# Altium PCB SVEC.pcbdoc (part 15 of 18)
Units mil, origin at the board's own origin, x right, y up, seen from the top; angles counter-clockwise.
Board outline 6349.25 x 9237.04 mil, 10 copper layers (Top Layer, L2 GND, L3, L4 PWR3.3, L5, L6, L7 GND, L8, L9 PWR, Bottom Layer), stack 58.268 mil thick; 906 components, 904 nets, 4753 pads, 3116 vias.
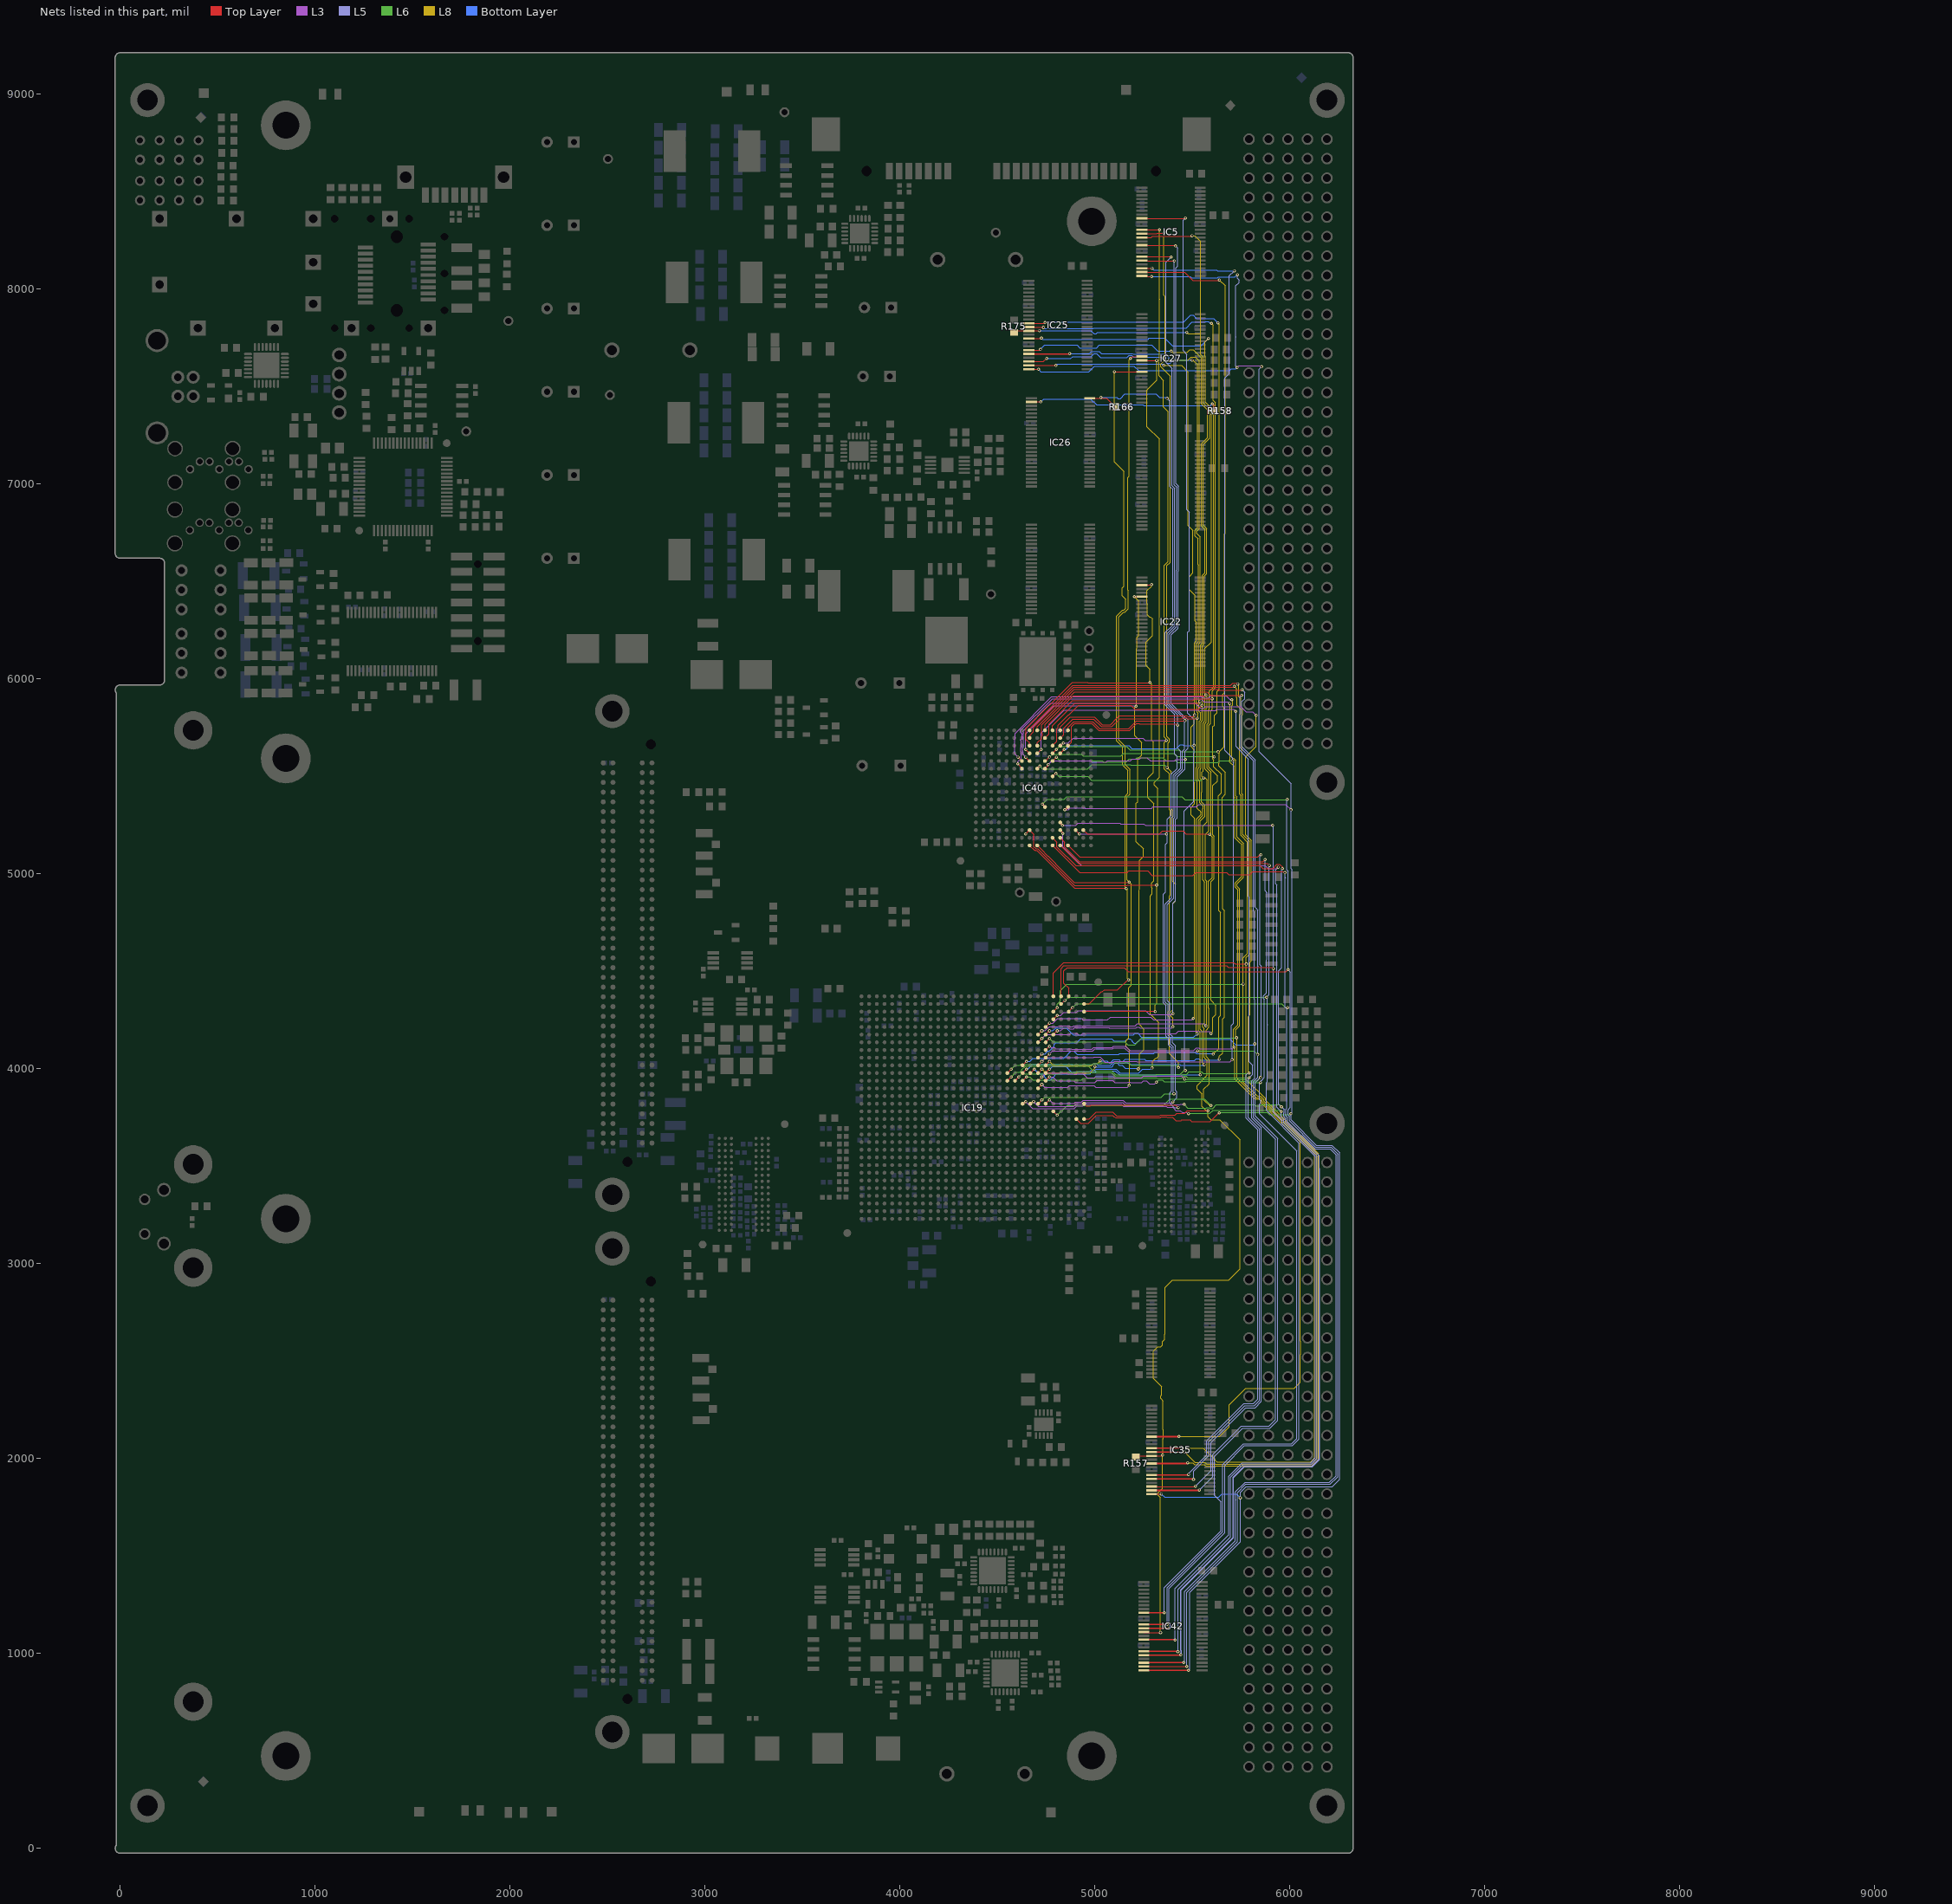
[diagram p23: the nets of this part, all layers, seen from the top]

## Via types
v1: diameter 15.75, hole 7.87, Top Layer to Bottom Layer, tented both sides, 2844 vias
v2: diameter 31.5, hole 15.75, Top Layer to Bottom Layer, tented both sides, 224 vias
v3: diameter 19.68, hole 7.87, Top Layer to Bottom Layer, tented both sides, 31 vias
v4: diameter 15.75, hole 7.87, Top Layer to Bottom Layer, 17 vias

## Nets (pads, with @x,y where several pads share a name; then routed paths per layer and width w, separated by ;. In a path a pad name is that pad's centre, name@x,y a point inside that pad or via, vN(x,y) a via of type N, cw(c..) or ccw(c..) an arc to the next point about the centre after c; other vN are vias at no path point) (continued)
VME_D1: IC19.AA9 IC25.12 IC40.M7 | length 6742.2
  Top Layer w5: IC19.AA9@4629.46,4017.04 v1(4649.14,4036.73) ; IC25.12@4660.95,7824.35 v1@4741.4,7824.35 ; IC40.M7@4743.61,5578.3 4747.35,5578.3 v1(4767.55,5598.51)
  L6 w4: v1(4767.55,5598.51) 4782.41,5613.36 4930.07,5613.36 4939.55,5603.88 5132.55,5603.88 5147.05,5618.38 5403.94,5618.38 5420.44,5601.88 5609.18,5601.88 v1(5611.55,5599.51)
  L8 w4: v1(5606.55,4074.51) 5634.55,4102.51 5634.55,4263.08 5643.55,4272.08 5643.55,4801.71 5634.93,4810.33 5634.93,5236.27 5632.18,5239.01 5632.18,5400.39 5647.93,5416.14 5647.93,5510.69 5609.18,5549.44 5609.18,5584.16 5605.18,5588.16 5605.18,5754.36 5612.18,5761.36 5612.18,5812.11 5626.93,5826.85 5626.93,5934.65 5637.93,5945.65 5637.93,7819.13 v1(5630.55,7826.51)
  Bottom Layer w5: v1(4649.14,4036.73) 4666.77,4036.73 4682.15,4052.1 4839.69,4052.1 4849.23,4061.64 4851.87,4061.64 4860.37,4070.14 4860.37,4073.64 4877.2,4090.47 4891.32,4090.47 4901.16,4080.63 4901.16,4079.64 4908.3,4072.51 5121.3,4072.51 5126.3,4077.51 5301.23,4077.51 5307.6,4083.88 5513.82,4083.88 5520.6,4077.1 5532.51,4077.1 5532.92,4077.51 5603.55,4077.51 v1(5606.55,4074.51) ; v1(4744.55,7827.51) 4748.17,7831.12 5456.43,7831.12 5491.19,7865.88 5503.92,7865.88 5520.92,7848.88 5608.06,7848.88 5628.55,7828.39 5628.55,7824.51 v1(5630.55,7826.51)
VME_D2: IC19.AD7 IC25.13 IC40.R7 | length 6563.6
  Top Layer w5: IC25.13@4660.95,7804.66 v1@4734.4,7804.66 ; IC19.AD7@4708.2,4135.15 v1(4727.88,4154.84) ; IC40.R7@4743.61,5696.41 4764.55,5717.36 4764.55,5767.51 4885.55,5888.51 5501.55,5888.51 5510.93,5897.88 5601.18,5897.88 v1(5601.55,5897.51)
  L3 w4: v1(4727.88,4154.84) 4748.55,4175.51 4870.15,4175.51 4876.52,4181.88 4907.69,4181.88 4915.8,4173.77 4930.43,4173.77 4938.55,4181.88 5226.26,4181.88 ; 5227.93,4180.21 5416.52,4180.21 5429.56,4193.25 5529.13,4193.25 5532.51,4189.88 5586.18,4189.88 v1(5595.55,4180.51)
  L8 w4: v1@5594.93,4181.13 5604.93,4191.13 5604.93,4261.74 5620.93,4277.74 5620.93,4324.87 5594.93,4350.87 5594.93,4958.62 5611.93,4975.62 5611.93,5193.87 5605.43,5200.37 5605.43,5207.37 5604.93,5207.87 5604.93,5409.74 5605.18,5410 5605.18,5453.39 5627.93,5476.14 5627.93,5502.41 5585.18,5545.16 5585.18,5762.64 5592.18,5769.64 5592.18,5835.36 5601.55,5844.74 v1(5601.55,5897.51) 5601.55,5937.56 5617.93,5953.93 5617.93,7416.87 5607.18,7427.62 5607.18,7813.88 v1(5597.55,7823.51)
  Bottom Layer w5: v1@4741.55,7797.51 4991.81,7797.51 4994.19,7799.88 5468.04,7799.88 5498.04,7829.88 5565.04,7829.88 5567.04,7831.88 5581.58,7831.88 5589.95,7823.51 v1(5597.55,7823.51)
  other v1: 4736.55,7802.51
VME_D3: IC19.AE7 IC25.16 IC40.T7 | length 6337.4
  Top Layer w5: IC25.16@4660.95,7745.61 v1@4722.66,7745.61 ; IC19.AE7@4708.2,4174.52 v1(4727.88,4194.21) ; IC40.T7@4743.61,5735.78 4743.61,5766.56 4888.93,5911.88 5563.93,5911.88 v1(5569.55,5917.51)
  L3 w4: v1(4727.88,4194.21) 4745.51,4194.21 4766.44,4215.13 4809.92,4215.13 4812.99,4218.2 ; 4814.37,4219.58 4867.74,4219.58 4872.19,4215.13 4885.92,4215.13 4890.37,4219.58 5077.74,4219.58 ; 5078.19,4219.13 5206.3,4219.13 5217.04,4229.88 5559.18,4229.88 v1(5569.55,4219.51)
  L8 w4: v1@5571.55,5919.51 v1(5569.55,5917.51) 5563.18,5923.88 5563.18,6154.39 5597.93,6189.14 5597.93,7387.39 5566.18,7419.14 5566.18,7653.91 5565.18,7654.91 5565.18,7729.13 v1(5582.55,7746.51) ; v1@5573.19,4223.14 5573.19,4961.02 5565.55,4968.65 5565.55,5201.25 5584.93,5220.62 5584.93,5517.12 5565.18,5536.87 5565.18,5770.92 5571.93,5777.67 5571.93,5849.62 5574.93,5852.62 v1@5574.93,5912.13
  Bottom Layer w5: 4731.55,7742.51 5272.81,7742.51 5278.19,7747.88 5360.55,7747.88 ; 5360.55,7746.88 5398.3,7709.13 5545.18,7709.13 v1(5582.55,7746.51)
  other v1: 4725.55,7748.51
VME_D4: IC19.Y9 IC25.19 IC40.P6 | length 6526.8
  Top Layer w5: IC19.Y9@4629.46,3977.67 v1(4649.14,3997.36) ; IC25.19@4660.95,7686.55 v1@4717.6,7686.55 ; IC40.P6@4782.98,5657.04 4805.01,5679.07 4805.01,5742.97 4811.34,5749.3 4811.34,5761.29 4865.55,5815.51 4867.55,5815.51 4916.37,5864.32 5185,5864.32 5205.19,5844.13 5530.55,5844.13 v1@5549.55,5863.13
  L3 w4: v1@5549.55,5863.13 v1(5549.55,5863.51)
  L8 w4: v1(5391.55,7680.51) 5397.93,7674.13 5473.92,7674.13 5487.67,7687.88 5503.92,7687.88 5546.18,7645.62 5546.18,7410.85 5577.93,7379.11 5577.93,7238.14 5546.18,7206.39 5546.18,6782.76 5563.93,6765.02 5563.93,6543.05 5550.93,6530.05 5550.93,6182.57 5541.55,6173.2 5541.55,5909.62 5553.93,5897.25 5553.93,5867.88 v1(5549.55,5863.51) ; 5547.55,5417.65 5547.55,5368.39 5564.93,5351.02 5564.93,5330 5563.93,5329 5563.93,5294.85 5540.18,5271.11 5540.18,4201.51 5550.18,4191.51 5550.18,4030.88 v1(5560.55,4020.51) ; 5547.93,5418.02 5547.93,5479.39 5539.18,5488.14 5539.18,5535.02 5545.18,5541.02 5545.18,5779.21 5551.07,5785.09 v1@5551.07,5858.57
  Bottom Layer w5: v1@4655.41,3997.36 4678.93,4020.88 4873.87,4020.88 4874.16,4021.17 4881.62,4021.17 4885.28,4017.51 4983.81,4017.51 4993.19,4026.88 5005.92,4026.88 5015.3,4017.51 5079.5,4017.51 5098.87,4036.88 5119.3,4036.88 5127.3,4028.88 ; v1(4720.55,7689.51) 4742.55,7711.51 4907.81,7711.51 4922.19,7697.13 5008.92,7697.13 5023.3,7711.51 5291.55,7711.51 5322.55,7680.51 v1(5391.55,7680.51) ; 5128.04,4028.13 5149.06,4028.13 5152.81,4031.88 5166.92,4031.88 5177.9,4020.91 5434.92,4020.91 5438.32,4017.51 v1@5557.55,4017.51
VME_D5: IC19.Y8 IC25.20 IC40.T6 | length 6603.9
  Top Layer w5: IC19.Y8@4668.83,3977.67 v1(4688.51,3997.36) ; IC40.T6@4782.98,5735.78 4782.98,5759.93 4897.93,5874.88 5267.18,5874.88 5267.55,5874.51 5530.55,5874.51 v1(5538.55,5882.51)
  Top Layer w6: IC25.20@4660.95,7666.87 v1@4868.92,7666.87
  L8 w4: v1(5380.55,7635.51) 5476.81,7635.51 5492.19,7650.88 5515.32,7650.88 5536.18,7630.02 5536.18,6770.87 5523.18,6757.87 5523.18,6745.14 5540.93,6727.39 5540.93,6186.71 5531.55,6177.34 5531.55,5889.51 5534.55,5886.51 5534.55,5870.25 5534.18,5869.87 5534.18,5832.39 5541.07,5825.51 5541.07,5789.24 5535.18,5783.35 5535.18,5545.16 5529.18,5539.16 5529.18,5484 5537.55,5475.62 5537.55,5364.25 5554.93,5346.87 5554.93,5334.14 5553.93,5333.14 5553.93,5299 5530.18,5275.25 5530.18,4195.51 5540.93,4184.76 5540.93,4085.52 5540.18,4084.77 5540.18,4043.21 5540.93,4042.46 5540.93,4030.55 5540.18,4029.8 5540.18,3968.88 v1(5540.55,3968.51)
  Bottom Layer w5: v1(4688.51,3997.36) 4712.51,3973.36 4734.25,3973.36 4743.26,3964.36 4743.26,3956.8 4757.45,3942.61 4772.21,3942.61 4792.25,3962.66 4792.25,3963.94 4800.67,3972.36 4842.55,3972.36 4843.55,3973.36 4975.08,3973.36 4982.6,3980.88 5001.98,3980.88 5009.58,3988.48 5105.53,3988.48 5125.87,3968.13 5538.18,3968.13 v1@5538.55,3968.51 ; v1@4870.93,7668.13 4971.04,7668.13 4981.79,7678.88 5023.32,7678.88 5033.32,7668.88 5193.06,7668.88 5197.06,7664.88 5362.92,7664.88 5380.18,7647.62 v1@5380.18,7635.13 ; 5332.3,3968.51 v1@5538.55,3968.51 ; v1(5540.55,3968.51) v1@5538.55,3968.51
  other v1: 4870.55,7668.51
VME_D6: IC19.AE6 IC25.22 IC40.R5 | length 6042.9
  Top Layer w5: IC25.22@4660.95,7627.5 4736.55,7627.5 v1(4752.55,7643.51) ; IC19.AE6@4747.57,4174.52 v1(4767.25,4194.21) ; IC40.R5@4822.35,5696.41 4839.55,5713.62 4839.55,5746.51 4886.55,5793.51 4993.71,5793.51 5032.71,5754.51 5087.7,5754.51 5128.7,5795.51 5449.81,5795.51 5455.19,5800.88 5467.92,5800.88 5473.3,5795.51 5520.55,5795.51 5525.55,5800.51 5526.55,5799.51 5524.96,5797.92 v1(5524.31,5797.92)
  L8 w4: v1(5498.55,7635.51) 5502.55,7635.51 5526.18,7611.88 5526.18,6775.02 5513.18,6762.02 5513.18,6733.51 5528.18,6718.51 5528.18,6586.51 5530.93,6583.76 5530.93,6190.85 5520.55,6180.48 5520.55,5878.76 5524.18,5875.14 5524.18,5828.25 5527.93,5824.5 v1@5527.93,5799.51 ; v1(5523.55,4178.51) 5520.18,4181.88 5520.18,5279.39 5543.93,5303.14 5543.93,5315.87 5534.67,5325.13 5533.19,5325.13 5524.18,5334.14 5524.18,5474.85 5519.18,5479.85 5519.18,5543.3 5525.18,5549.3 5525.18,5796.76 v1@5527.93,5799.51 ; v1(5524.31,5797.92) 5524.96,5797.92 v1@5526.55,5799.51 ; v1@5525.55,5800.51 v1@5526.55,5799.51 ; v1@5526.55,5799.51 v1@5527.93,5799.51
  Bottom Layer w5: v1(4752.55,7643.51) 4876.67,7643.51 4886.04,7652.88 4979.19,7652.88 4995.19,7668.88 5007.92,7668.88 5029.3,7647.51 5164.81,7647.51 5176.19,7658.88 5188.92,7658.88 5198.3,7649.51 5339.3,7649.51 5368.67,7620.13 5386.92,7620.13 5402.3,7635.51 v1(5498.55,7635.51) ; v1(4767.25,4194.21) 4784.88,4194.21 4800.26,4209.58 4852.36,4209.58 4888.68,4173.27 5197.57,4173.27 5206.19,4181.88 5220.92,4181.88 5231.93,4170.87 ; 5231.93,4168.87 5238.3,4162.51 5507.55,4162.51 v1(5523.55,4178.51)
VME_D7: IC19.AF6 IC25.23 IC40.T5 | length 5799.2
  Top Layer w5: IC25.23@4660.95,7607.81 4799.25,7607.81 v1(4799.55,7607.51) ; IC19.AF6@4747.57,4213.89 v1(4767.25,4233.58) 4767.55,4233.28 4767.55,4229.51 v1@4768.55,4229.51 ; IC40.T5@4822.35,5735.78 4822.35,5753.3 4873.55,5804.51 4998.16,5804.51 5037.94,5764.73 5079.2,5764.73 5113.55,5799.08 5113.55,5799.51 5124.93,5810.88 5472.06,5810.88 5477.44,5805.51 5502.55,5805.51 v1(5511.55,5814.51)
  L3 w4: v1@4768.55,4229.51 4767.55,4229.51 4767.55,4233.28 v1(4767.25,4233.58) 4784.88,4233.58 4807.95,4256.64 4932.68,4256.64 4938.69,4250.63 5064.8,4250.63 5079.04,4264.88 5285.92,4264.88 5299.92,4250.88 5497.93,4250.88 v1(5504.55,4257.51)
  L8 w4: v1(5353.55,7607.51) 5443.55,7607.51 5478.55,7572.51 5478.55,6785.51 5503.18,6760.88 5503.18,6542.87 5485.18,6524.87 5485.18,6456.14 5514.12,6427.2 5514.12,6296.51 5520.93,6289.69 5520.93,6195 5510.18,6184.25 5510.18,5815.88 v1(5511.55,5814.51) ; v1(5504.55,4257.51) 5510.18,4263.13 5510.18,5283.14 5492.18,5301.14 5492.18,5339.76 5511.93,5359.51 5511.93,5466.39 5509.18,5469.14 5509.18,5636.14 5493.18,5652.14 5493.18,5752.96 5508.93,5768.72 5508.93,5813.26 v1@5510.18,5814.51
  Bottom Layer w5: v1@4802.55,7607.51 v1(4799.55,7607.51) 4807.93,7615.88 5345.18,7615.88 v1(5353.55,7607.51)
VME_D8: IC5.9 IC19.W11 IC40.N5 | length 6350.7
  Top Layer w5: IC19.W11@4550.72,3938.3 v1(4570.4,3957.99) ; IC40.N5@4822.35,5617.67 v1(4842.04,5637.36) ; IC5.9@5240.95,8362.4 v1@5462.45,8362.4
  L6 w4: v1(4570.4,3957.99) 4594.4,3981.98 4616.14,3981.98 4625.15,3990.99 4625.15,3995.1 4643.93,4013.88 4966.25,4013.88 4991.25,3988.88 5087.55,3988.88 5107.3,3969.13 5315,3969.13 5315.74,3969.88 5437.14,3969.88 5457.77,3990.51 v1(5463.55,3990.51)
  L5 w5: v1@5464.55,3991.51 v1(5463.55,3990.51) 5459.3,3994.76 5459.3,4187.56 5456.9,4189.97 5456.9,5321.02 5506.78,5370.9 5506.78,5616.28 5509.93,5619.43 5509.93,5790.55 5475.93,5824.55 5475.93,6239.14 5483.37,6246.58 5483.37,6408.58 5483.93,6409.14 5483.93,6855.76 5471.48,6868.21 5471.48,7663.84 5452.18,7683.14 5452.18,8352.13 v1(5464.55,8364.51)
  Bottom Layer w5: v1(4842.04,5637.36) 4850.41,5637.36 4869.55,5656.51 5174.81,5656.51 5189.19,5642.13 5418.44,5642.13 5438.19,5661.88 5450.92,5661.88 5456.3,5656.51 5506.55,5656.51 v1(5508.55,5658.51)
VME_D9: IC5.12 IC19.Y11 IC40.P5 | length 5944.5
  Top Layer w5: IC19.Y11@4550.72,3977.67 v1(4570.4,3997.36) ; IC40.P5@4822.35,5657.04 4825.09,5657.04 v1(4838.55,5670.51) ; IC5.12@5240.95,8303.35 5241.11,8303.51 v1(5331.55,8303.51)
  L3 w4: v1(4838.55,5670.51) 4862.55,5670.51 4887.93,5695.88 5246.18,5695.88 5257.55,5684.51 v1(5366.55,5684.51)
  L6 w4: v1(4570.4,3997.36) 4591.55,4018.51 4614.55,4018.51 4618.9,4022.85 4991.28,4022.85 4995.06,4026.63 5032.68,4026.63 5036.43,4030.38 5173.55,4030.38 5186.05,4017.88 5416.21,4017.88 v1(5428.55,4005.53)
  L8 w4: v1(5331.55,8303.51) 5331.55,7961.25 5330.18,7959.87 5330.18,7947.14 5331.93,7945.39 5331.93,7627.14 5327.93,7623.14 5327.93,7554.13 5351.93,7530.13 5351.93,7394.27 5375.93,7370.27 5375.93,7357.14 5375.55,7356.76 5375.55,6602.39 5355.18,6582.02 5355.18,5701.51 5366.55,5690.13 v1(5366.55,5684.51) 5355.18,5673.13 5355.18,5538.14 5381.18,5512.14 5381.18,5329.14 5385.93,5324.4 5385.93,5032.51 5386.83,5031.61 5386.83,4889.98 5381.18,4884.34 5381.18,4298.02 5375.18,4292.02 5375.18,4271 5381.18,4265 5381.18,4077.74 5428.55,4030.36 v1(5428.55,4005.53)
VME_D10: IC5.13 IC19.AE5 IC40.L8 | length 5598.5
  Top Layer w5: IC40.L8@4704.24,5538.93 v1(4717.55,5552.25) ; IC19.AE5@4786.94,4174.52 v1(4806.62,4194.21) ; IC5.13@5240.95,8283.66 5317.55,8283.66 5319.4,8285.51 v1(5352.55,8285.51)
  L3 w4: v1(4806.62,4194.21) 4824.25,4194.21 4839.63,4209.58 4863.59,4209.58 4868.04,4205.13 4890.06,4205.13 4895.31,4210.38 5072.8,4210.38 5074.04,4209.13 5210.44,4209.13 5214.19,4212.88 5226.92,4212.88 5230.22,4209.58 5394.63,4209.58 v1(5399.55,4214.51)
  L6 w4: v1(4717.55,5552.25) 4731.67,5538.13 4961.92,5538.13 4983.67,5559.88 5182.25,5559.88 5184.75,5557.38 5357.68,5557.38 v1(5370.55,5544.51)
  L8 w4: v1(5352.55,8285.51) 5352.55,7968.25 5360.93,7959.87 5360.93,7636.62 5338.18,7613.87 5338.18,7601.14 5385.93,7553.39 5385.93,7353 5385.55,7352.62 5385.55,6598.25 5368.18,6580.87 5368.18,5704.62 5381.93,5690.87 5381.93,5678.14 5375.18,5671.39 5375.18,5549.13 v1(5370.55,5544.51) 5391.18,5523.88 5391.18,5333.29 5397.18,5327.29 5397.18,4961.04 5412.93,4945.29 5412.93,4859.62 5400.18,4846.87 5400.18,4302.87 5385.18,4287.87 5385.18,4275.14 5399.55,4260.76 v1(5399.55,4214.51)
VME_D11: IC5.16 IC19.AG5 IC40.L7 | length 5613
  Top Layer w5: IC40.L7@4743.61,5545.56 IC40.L7@4743.61,5538.93 v1@4760.55,5555.88 ; IC19.AG5@4786.94,4253.26 v1(4806.62,4272.95) 4807.07,4272.51 v1@4807.55,4272.51 ; IC5.16@5240.95,8224.61 v1@5409.45,8224.61
  L3 w4: v1(4760.55,5559.51) 4780.93,5579.88 4912.56,5579.88 4912.81,5579.63 4924.3,5579.63 4924.55,5579.88 4976.95,5579.88 4983.7,5573.13 5056.92,5573.13 5063.67,5579.88 5182.31,5579.88 5191.81,5589.38 5228.69,5589.38 5235.19,5595.88 5266.92,5595.88 5283.67,5579.13 5408.92,5579.13 5416.3,5586.51 v1(5464.55,5586.51) ; v1@4807.55,4272.51 4807.07,4272.51 v1(4806.62,4272.95) 4824.25,4272.95 4839.63,4288.32 4904.23,4288.32 4914.23,4298.32 5259.55,4298.32 5280.74,4277.13 5396.18,4277.13 v1(5400.55,4281.51)
  L5 w5: v1(5400.55,4281.51) 5399.55,4282.51 5399.55,4847.51 5413.93,4861.88 5413.93,5279.14 5421.93,5287.14 5421.93,5497.15 5461.93,5537.15 5461.93,5628 5476.93,5643 5476.93,5790.46 5467.51,5799.88 ; v1(5413.55,8220.51) 5423.55,8210.51 5423.55,8116.51 5415.93,8108.88 5415.93,7000.64 5428.93,6987.64 5428.93,6555.71 5425.93,6552.71 5425.93,6260.11 5391.69,6225.87 5391.69,5873.37 5465.18,5799.88
VME_D12: IC5.19 IC19.T7 IC40.P4 | length 5972.4
  Top Layer w5: IC19.T7@4708.2,3820.19 v1(4727.88,3839.88) ; IC40.P4@4861.72,5657.04 4879.06,5674.38 4879.06,5755.34 4894.6,5770.88 4983.4,5770.88 5019.77,5734.51 5176.81,5734.51 5213.19,5770.88 5225.92,5770.88 5229.3,5767.51 v1@5424.55,5767.51 ; IC5.19@5240.95,8165.55 v1@5389.51,8165.55
  L6 w4: v1(4727.88,3839.88) 4741.76,3853.75 5339.8,3853.75 5357.55,3871.51 v1(5405.55,3871.51)
  L5 w5: v1(5391.55,8163.51) 5365.18,8137.13 5365.18,7623.51 5395.93,7592.76 5395.93,6990.64 5408.93,6977.64 5408.93,6564 5407.93,6563 5407.93,6270.39 5370.69,6233.15 5370.69,5868.92 5424.69,5814.92 5424.69,5643.11 5438.93,5628.87 5438.93,5542.43 5401.93,5505.43 5401.93,5295.43 5393.93,5287.43 5393.93,4877.01 5360.55,4843.64 5360.55,4342.51 5375.18,4327.88 5375.18,4170.25 5386.93,4158.51 5386.93,4126.98 5403.18,4110.73 5403.18,3873.88 v1(5405.55,3871.51)
  other v1: 5424.55,5762.51
VME_D13: IC5.20 IC19.T6 IC40.T4 | length 5930
  Top Layer w5: IC19.T6@4747.57,3820.19 v1(4767.25,3839.88) ; IC40.T4@4861.72,5735.78 4861.72,5751.67 4890.55,5780.51 4987.92,5780.51 5023.92,5744.51 5172.67,5744.51 5213.04,5784.88 v1@5460.93,5784.88 ; IC5.20@5240.95,8145.87 5243.31,8143.51 v1(5407.55,8143.51)
  L3 w4: v1(4767.25,3839.88) 4784.63,3822.51 4893.59,3822.51 4898.97,3827.88 4932.1,3827.88 4941.1,3836.88 5145.49,3836.88 5157.49,3824.88 5377.71,3824.88 5378.08,3824.51 5394.55,3824.51 v1(5399.55,3829.51)
  L5 w5: v1(5399.55,3829.51) 5420.93,3850.88 5420.93,3880.64 5413.18,3888.39 5413.18,4117.14 5396.93,4133.39 5396.93,4165.51 5384.18,4178.25 5384.18,4334.88 5370.55,4348.51 5370.55,4840.91 5403.93,4874.29 5403.93,5283.29 5411.93,5291.29 5411.93,5501.29 5448.69,5538.05 5448.69,5628.9 5459.93,5640.14 v1@5459.93,5783.88 ; v1@5406.93,8140.88 5406.93,6995.64 5418.93,6983.64 5418.93,6559.85 5416.93,6557.85 5416.93,6265.25 5380.69,6229.01 5380.69,5871.64 v1@5459.93,5792.4
  other v1: 5461.55,5785.51
VME_D14: IC5.22 IC19.AA7 IC40.M6 | length 6568.3
  Top Layer w5: IC19.AA7@4708.2,4017.04 v1(4727.88,4036.73) ; IC40.M6@4782.98,5578.3 v1(4802.67,5597.99) ; IC5.22@5240.95,8106.5 v1(5292.55,8106.51)
  L3 w5: v1(4727.88,4036.73) 4729.77,4036.73 4749.69,4056.64 4992.36,4056.64 4995.6,4059.88 5027.51,4059.88 5040.93,4046.46 5040.93,4045.4 5052.2,4034.13 5097.54,4034.13 5100.79,4037.38 5212.69,4037.38 5214.94,4035.13 5693.18,4035.13 v1(5703.69,4045.64)
  L6 w4: v1(4802.67,5597.99) 4821.02,5579.63 4924.3,5579.63 4925.17,5580.51 5036.81,5580.51 5044.19,5573.13 5159.18,5573.13 5175.43,5589.38 5208.43,5589.38 5214.93,5595.88 5348.92,5595.88 5365.67,5579.13 5414.55,5579.13 5422.55,5571.13 5630.55,5571.13 5639.92,5580.51 v1@5704.69,5580.51
  L6 w5: v1@5704.69,5580.51 5705.69,5579.51 v1(5705.69,5578.64)
  L5 w4: v1@5706.93,5582.64 5706.93,5593.4 5666.69,5633.64 5666.69,7543.66 5689.68,7566.65 5689.68,8068.63 v1(5714.55,8093.51)
  L5 w5: v1(5703.69,4045.64) 5703.69,4100.31 5699.31,4104.69 5699.31,4220.94 5711.93,4233.55 5711.93,5309.4 5711.69,5309.64 5711.69,5569.64 v1@5706.93,5574.4 ; v1(5705.69,5578.64) 5704.69,5577.64 5704.69,5576.64 v1@5706.93,5574.4 ; v1@5706.93,5582.64 v1@5706.93,5574.4
  Bottom Layer w5: v1(5292.55,8106.51) 5301.85,8097.21 5625.11,8097.21 5629.19,8093.13 v1@5706.77,8093.13
VME_D15: IC5.23 IC19.AA6 IC40.N6 | length 6309.7
  Top Layer w5: IC19.AA6@4747.57,4017.04 v1(4767.25,4036.73) ; IC40.N6@4782.98,5617.67 v1(4802.67,5637.36) ; IC5.23@5240.95,8086.81 5459.25,8086.81 5501.55,8044.51 5637.55,8044.51 v1(5638.55,8045.51)
  L6 w4: v1(4802.67,5637.36) 4818.04,5652.73 5161.33,5652.73 5179.18,5634.88 5430.92,5634.88 5440.3,5625.51 v1(5631.55,5625.51)
  L8 w4: v1(4767.25,4036.73) 4788.48,4015.51 4981.81,4015.51 4993.19,4026.88 5012.93,4026.88 v1(5026.55,4040.51) ; v1(5631.55,5625.51) v1@5635.18,5621.88 ; v1(5638.55,4049.51) 5638.55,4063.65 5655.55,4080.65 5655.55,4254.38 5664.55,4263.38 5664.55,4810.4 5655.93,4819.03 5655.93,5244.96 5653.18,5247.71 5653.18,5391.69 5668.93,5407.44 5668.93,5519.39 5635.18,5553.14 5635.18,5565.87 5637.93,5568.62 5637.93,5619.13 v1@5635.18,5621.88 ; v1(5638.55,8045.51) 5668.18,8015.88 5668.18,6746.87 5664.55,6743.25 5664.55,5927.79 5656.18,5919.42 5656.18,5858.85 5662.18,5852.85 5662.18,5650.13 5635.18,5623.13 v1@5635.18,5621.88
  Bottom Layer w5: v1(5026.55,4040.51) 5061.81,4040.51 5073.19,4029.13 5078.4,4029.13 5095.14,4045.88 5124.44,4045.88 5132.19,4038.13 5144.92,4038.13 5155.3,4048.51 5254.81,4048.51 5261.05,4042.27 5511.99,4042.27 5520.6,4050.88 5532.51,4050.88 5540.26,4043.13 5632.18,4043.13 v1(5638.55,4049.51)
VME_D16: IC19.AC6 IC35.9 IC40.L10 | length 7010.2
  Top Layer w5: v1(4604.55,5563.51) 4625.5,5542.56 IC40.L10@4625.5,5538.93 ; IC19.AC6@4747.57,4095.78 v1(4767.25,4115.47)
  Top Layer w8: IC35.9@5290.95,2112.4 5291.72,2111.63 5428.68,2111.63 v1(5430.55,2113.51)
  L3 w4: v1(4604.55,5563.51) 4604.55,5574.99 4621.19,5591.62 4621.19,5625.47 4619.81,5626.85 4619.81,5647.87 4621.19,5649.24 4621.19,5683.1 4618.55,5685.73 4626.43,5693.6 4626.43,5718.25 4618.55,5726.13 4618.55,5734.51 4781.93,5897.88 5544.92,5897.88 5560.67,5882.13 5682.93,5882.13 v1(5691.55,5873.51) ; v1(4767.25,4115.47) 4775.07,4107.65 4792.7,4107.65 4798.88,4101.47 4839.66,4101.47 4840.04,4101.09 4878.64,4101.09 4879.6,4100.13 4984.32,4100.13 4993.82,4109.63 5088.3,4109.63 5094.55,4115.88 5128.06,4115.88 5128.44,4115.51 5155.81,4115.51 5179.19,4092.13 5505.81,4092.13 5520.55,4106.88 5532.51,4106.88 5537.88,4101.51 5704.55,4101.51 5707.18,4104.13
  L8 w4: v1(5430.55,2113.51) 5640.55,2113.51 5688.55,2161.51 5688.55,2275.51 5773.55,2360.51 6022.55,2360.51 6053.53,2391.48 6053.53,2533.84 6054.55,2534.87 6054.55,2602.14 6053.53,2603.17 6053.53,3624.12 5850.56,3827.08 5850.56,3835.39 5842.43,3843.51 5820.55,3843.51 5717.55,3946.51 5717.55,4009.89 5717.56,4021.39 5717.55,4039.89 5717.56,4104.5 v1@5712.55,4109.51 ; v1@5692.18,5873.13 5692.18,5584.75 5691.81,5584.39 5691.81,5572.89 5712.55,5552.15 5712.55,5395.53 5717.93,5390.16 5717.93,5183.76 5736.77,5164.91 5737.89,5164.91 5752.93,5149.87 5752.93,4985.76 5719.18,4952.02 5719.18,4930.05 5732.55,4916.67 5732.55,4224.36 5711.18,4202.99 5711.18,4110.88 v1@5712.55,4109.51 ; v1(5713.69,4110.64) v1@5712.55,4109.51